# Altium PCB rev5.PcbDoc (part 2 of 4)
Units mil, origin at the board's own origin, x right, y up, seen from the top; angles counter-clockwise.
Board outline 1000 x 900 mil, 2 copper layers (Top Layer, Bottom Layer); 162 components, 16 nets, 1728 pads, 0 vias.
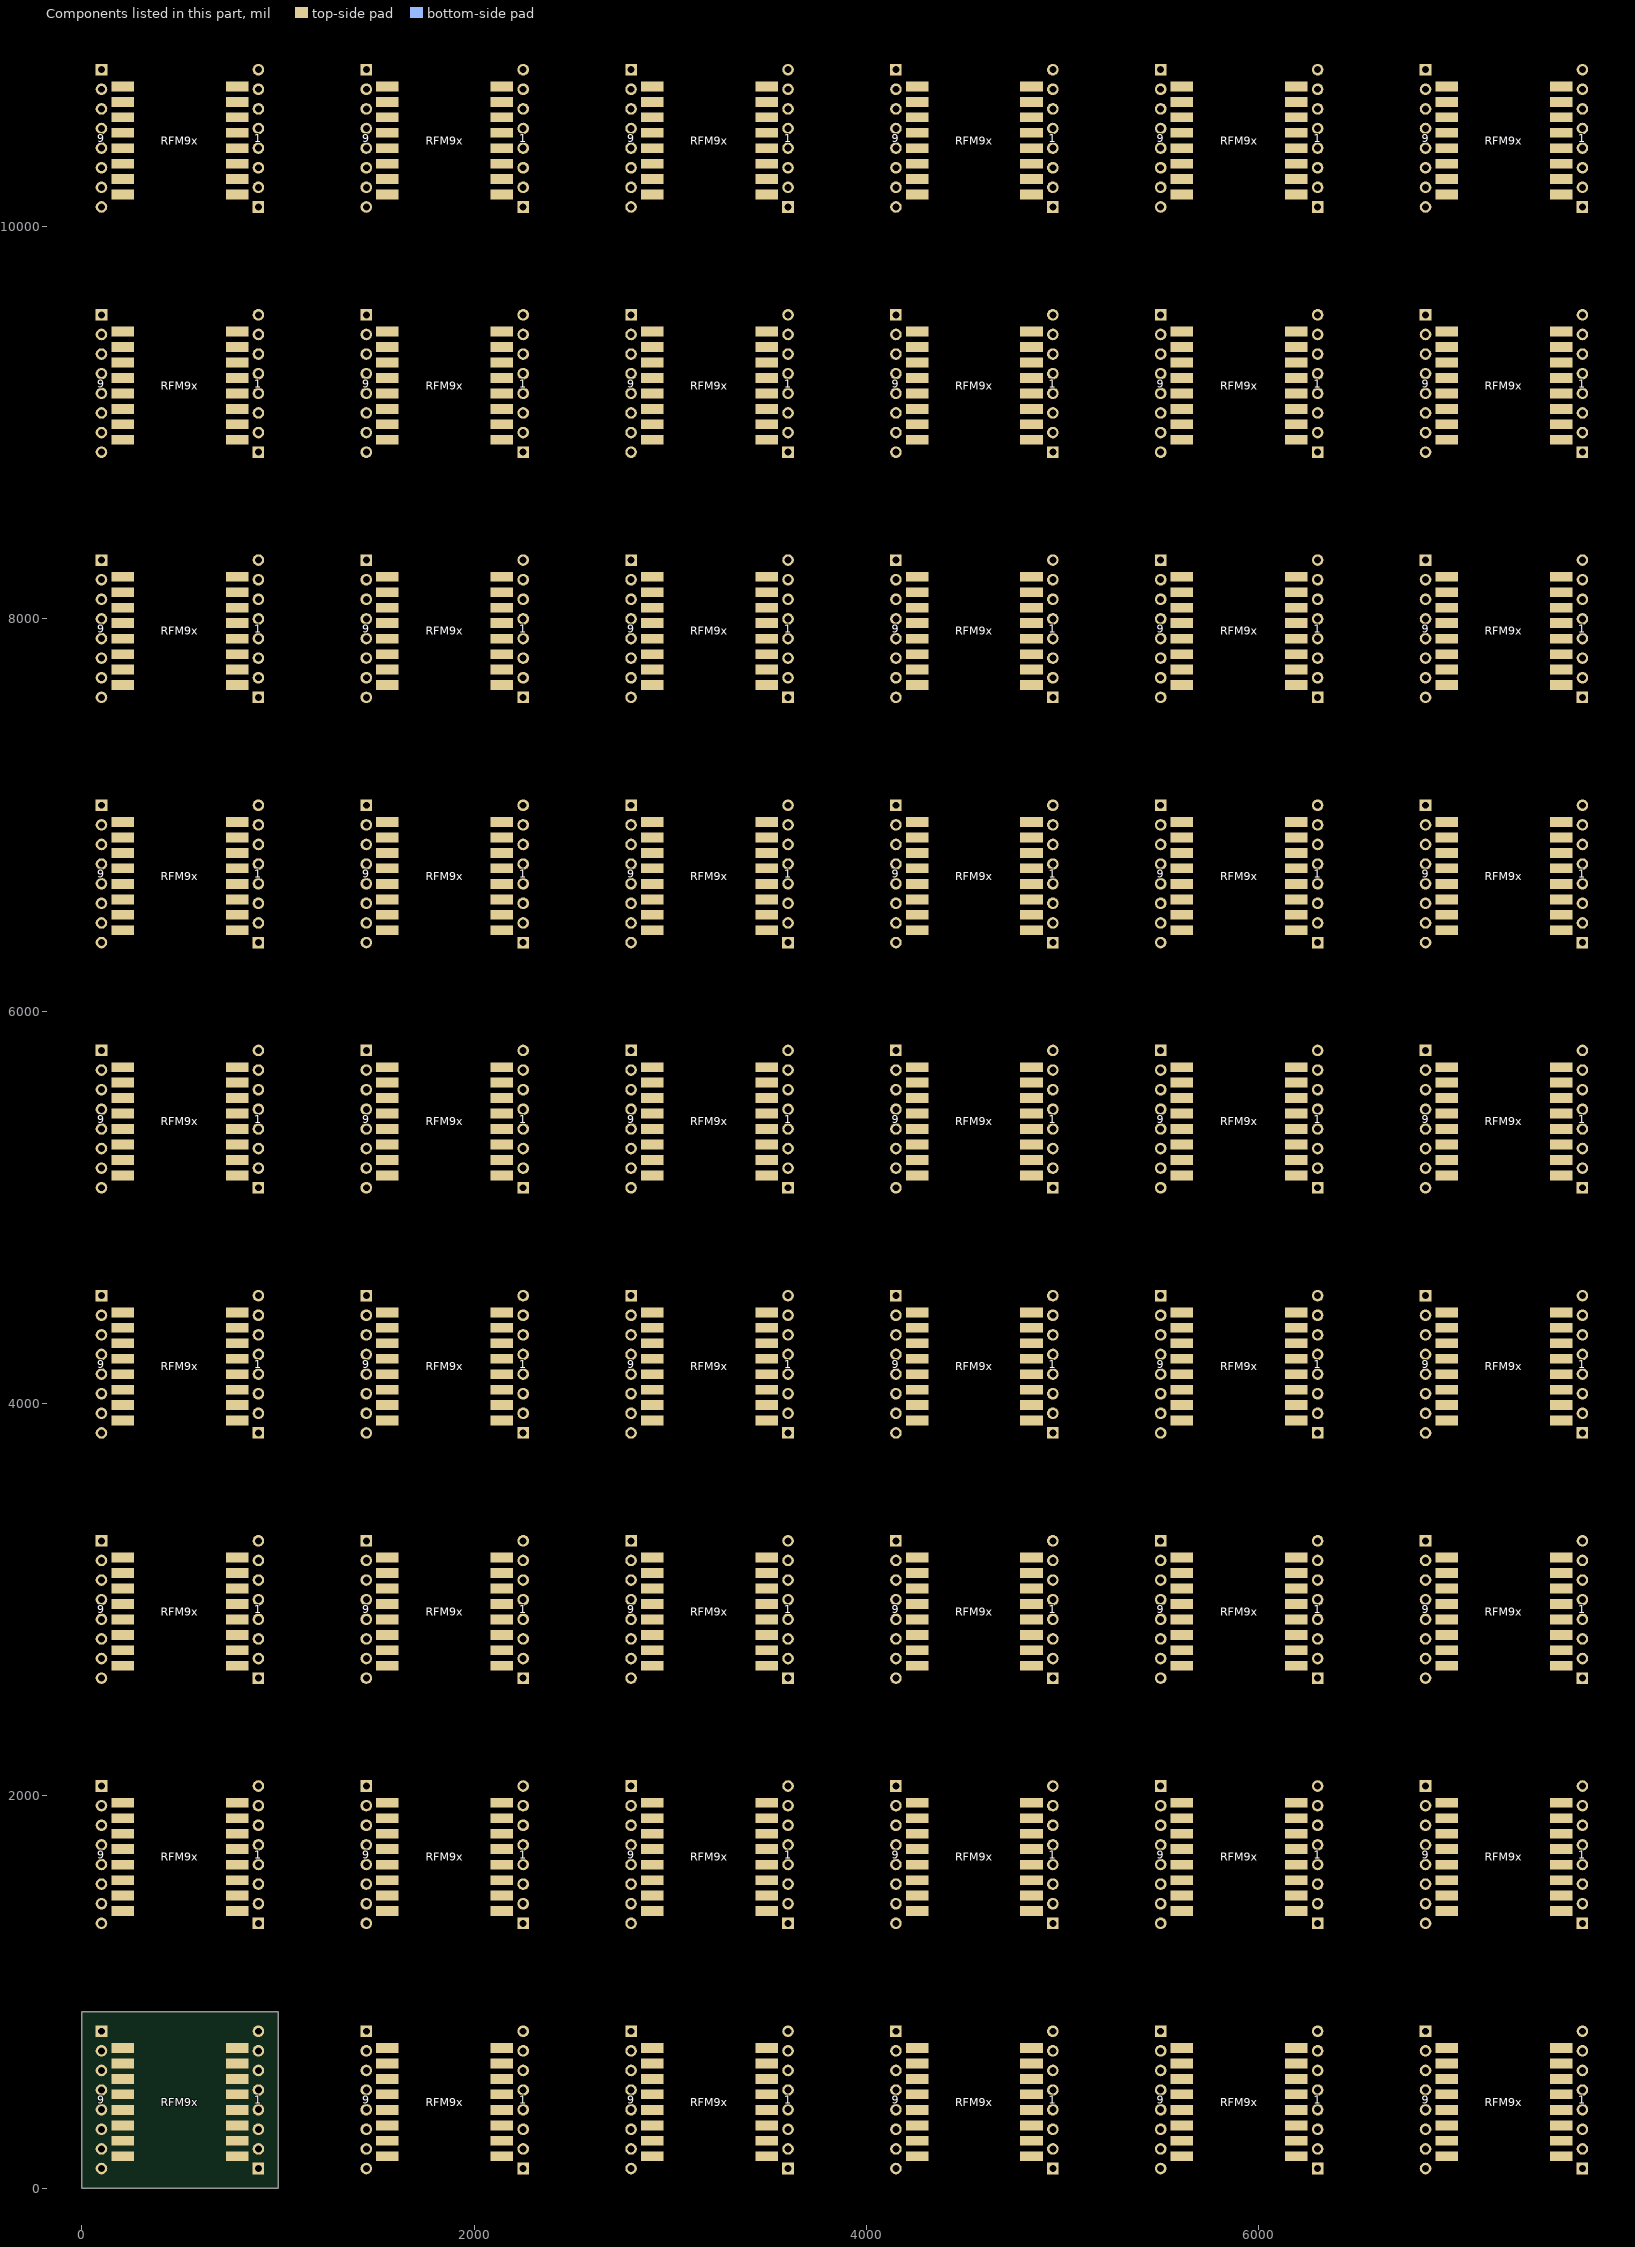
[diagram p2: the components of this part, seen from the top]

## Nets (pads, with @x,y where several pads share a name; then routed paths per layer and width w, separated by ;. In a path a pad name is that pad's centre, name@x,y a point inside that pad or via, vN(x,y) a via of type N, cw(c..) or ccw(c..) an arc to the next point about the centre after c; other vN are vias at no path point) (continued)
pads on no net: 1.1@900,1350 1.1@900,2600 1.1@900,3850 1.1@900,5100 1.1@900,6350 1.1@900,7600 1.1@900,8850 1.1@900,10100 1.1@2250,100 1.1@2250,1350 1.1@2250,2600 1.1@2250,3850 1.1@2250,5100 1.1@2250,6350 1.1@2250,7600 1.1@2250,8850 1.1@2250,10100 1.1@3600,100 1.1@3600,1350 1.1@3600,2600 1.1@3600,3850 1.1@3600,5100 1.1@3600,6350 1.1@3600,7600 1.1@3600,8850 1.1@3600,10100 1.1@4950,100 1.1@4950,1350 1.1@4950,2600 1.1@4950,3850 1.1@4950,5100 1.1@4950,6350 1.1@4950,7600 1.1@4950,8850 1.1@4950,10100 1.1@6300,100 1.1@6300,1350 1.1@6300,2600 1.1@6300,3850 1.1@6300,5100 1.1@6300,6350 1.1@6300,7600 1.1@6300,8850 1.1@6300,10100 1.1@7650,100 1.1@7650,1350 1.1@7650,2600 1.1@7650,3850 1.1@7650,5100 1.1@7650,6350 1.1@7650,7600 1.1@7650,8850 1.1@7650,10100 1.2@900,1450 1.2@900,2700 1.2@900,3950 1.2@900,5200 1.2@900,6450 1.2@900,7700 1.2@900,8950 1.2@900,10200 1.2@2250,200 1.2@2250,1450 1.2@2250,2700 1.2@2250,3950 1.2@2250,5200 1.2@2250,6450 1.2@2250,7700 1.2@2250,8950 1.2@2250,10200 1.2@3600,200 1.2@3600,1450 1.2@3600,2700 1.2@3600,3950 1.2@3600,5200 1.2@3600,6450 1.2@3600,7700 1.2@3600,8950 1.2@3600,10200 1.2@4950,200 1.2@4950,1450 1.2@4950,2700 1.2@4950,3950 1.2@4950,5200 1.2@4950,6450 1.2@4950,7700 1.2@4950,8950 1.2@4950,10200 1.2@6300,200 1.2@6300,1450 1.2@6300,2700 1.2@6300,3950 1.2@6300,5200 1.2@6300,6450 1.2@6300,7700 1.2@6300,8950 1.2@6300,10200 1.2@7650,200 1.2@7650,1450 1.2@7650,2700 1.2@7650,3950 1.2@7650,5200 1.2@7650,6450 1.2@7650,7700 1.2@7650,8950 1.2@7650,10200 1.3@900,1550 1.3@900,2800 1.3@900,4050 1.3@900,5300 1.3@900,6550 1.3@900,7800 1.3@900,9050 1.3@900,10300 1.3@2250,300 1.3@2250,1550 1.3@2250,2800 1.3@2250,4050 1.3@2250,5300 1.3@2250,6550 1.3@2250,7800 1.3@2250,9050 1.3@2250,10300 1.3@3600,300 1.3@3600,1550 1.3@3600,2800 1.3@3600,4050 1.3@3600,5300 1.3@3600,6550 1.3@3600,7800 1.3@3600,9050 1.3@3600,10300 1.3@4950,300 1.3@4950,1550 1.3@4950,2800 1.3@4950,4050 1.3@4950,5300 1.3@4950,6550 1.3@4950,7800 1.3@4950,9050 1.3@4950,10300 1.3@6300,300 1.3@6300,1550 1.3@6300,2800 1.3@6300,4050 1.3@6300,5300 1.3@6300,6550 1.3@6300,7800 1.3@6300,9050 1.3@6300,10300 1.3@7650,300 1.3@7650,1550 1.3@7650,2800 1.3@7650,4050 1.3@7650,5300 1.3@7650,6550 1.3@7650,7800 1.3@7650,9050 1.3@7650,10300 1.4@900,1650 1.4@900,2900 1.4@900,4150 1.4@900,5400 1.4@900,6650 1.4@900,7900 1.4@900,9150 1.4@900,10400 1.4@2250,400 1.4@2250,1650 1.4@2250,2900 1.4@2250,4150 1.4@2250,5400 1.4@2250,6650 1.4@2250,7900 1.4@2250,9150 1.4@2250,10400 1.4@3600,400 1.4@3600,1650 1.4@3600,2900 1.4@3600,4150 1.4@3600,5400 1.4@3600,6650 1.4@3600,7900 1.4@3600,9150 1.4@3600,10400 1.4@4950,400 1.4@4950,1650 1.4@4950,2900 1.4@4950,4150 1.4@4950,5400 1.4@4950,6650 1.4@4950,7900 1.4@4950,9150 1.4@4950,10400 1.4@6300,400 1.4@6300,1650 1.4@6300,2900 1.4@6300,4150 1.4@6300,5400 1.4@6300,6650 1.4@6300,7900 1.4@6300,9150 1.4@6300,10400 1.4@7650,400 1.4@7650,1650 1.4@7650,2900 1.4@7650,4150 1.4@7650,5400 1.4@7650,6650 1.4@7650,7900 1.4@7650,9150 1.4@7650,10400 1.5@900,1750 1.5@900,3000 1.5@900,4250 1.5@900,5500 1.5@900,6750 1.5@900,8000 1.5@900,9250 1.5@900,10500 1.5@2250,500 1.5@2250,1750 1.5@2250,3000 1.5@2250,4250 1.5@2250,5500 1.5@2250,6750 1.5@2250,8000 1.5@2250,9250 1.5@2250,10500 1.5@3600,500 1.5@3600,1750 1.5@3600,3000 1.5@3600,4250 1.5@3600,5500 1.5@3600,6750 1.5@3600,8000 1.5@3600,9250 1.5@3600,10500 1.5@4950,500 1.5@4950,1750 1.5@4950,3000 1.5@4950,4250 1.5@4950,5500 1.5@4950,6750 1.5@4950,8000 1.5@4950,9250 1.5@4950,10500 1.5@6300,500 1.5@6300,1750 1.5@6300,3000 1.5@6300,4250 1.5@6300,5500 1.5@6300,6750 1.5@6300,8000 1.5@6300,9250 1.5@6300,10500 1.5@7650,500 1.5@7650,1750 1.5@7650,3000 1.5@7650,4250 1.5@7650,5500 1.5@7650,6750 1.5@7650,8000 1.5@7650,9250 1.5@7650,10500 1.6@900,1850 1.6@900,3100 1.6@900,4350 1.6@900,5600 1.6@900,6850 1.6@900,8100 1.6@900,9350 1.6@900,10600 1.6@2250,600 1.6@2250,1850 1.6@2250,3100 1.6@2250,4350 1.6@2250,5600 1.6@2250,6850 1.6@2250,8100 1.6@2250,9350 1.6@2250,10600 1.6@3600,600 1.6@3600,1850 1.6@3600,3100 1.6@3600,4350 1.6@3600,5600 1.6@3600,6850 1.6@3600,8100 1.6@3600,9350 1.6@3600,10600 1.6@4950,600 1.6@4950,1850 1.6@4950,3100 1.6@4950,4350 1.6@4950,5600 1.6@4950,6850 1.6@4950,8100 1.6@4950,9350 1.6@4950,10600 1.6@6300,600 1.6@6300,1850 1.6@6300,3100 1.6@6300,4350 1.6@6300,5600 1.6@6300,6850 1.6@6300,8100 1.6@6300,9350 1.6@6300,10600 1.6@7650,600 1.6@7650,1850 1.6@7650,3100 1.6@7650,4350 1.6@7650,5600 1.6@7650,6850 1.6@7650,8100 1.6@7650,9350 1.6@7650,10600 1.7@900,1950 1.7@900,3200 1.7@900,4450 1.7@900,5700 1.7@900,6950 1.7@900,8200 1.7@900,9450 1.7@900,10700 1.7@2250,700 1.7@2250,1950 1.7@2250,3200 1.7@2250,4450 1.7@2250,5700 1.7@2250,6950 1.7@2250,8200 1.7@2250,9450 1.7@2250,10700 1.7@3600,700 1.7@3600,1950 1.7@3600,3200 1.7@3600,4450 1.7@3600,5700 1.7@3600,6950 1.7@3600,8200 1.7@3600,9450 1.7@3600,10700 1.7@4950,700 1.7@4950,1950 1.7@4950,3200 1.7@4950,4450 1.7@4950,5700 1.7@4950,6950 1.7@4950,8200 1.7@4950,9450 1.7@4950,10700 1.7@6300,700 1.7@6300,1950 1.7@6300,3200 1.7@6300,4450 1.7@6300,5700 1.7@6300,6950 1.7@6300,8200 1.7@6300,9450 1.7@6300,10700 1.7@7650,700 1.7@7650,1950 1.7@7650,3200 1.7@7650,4450 1.7@7650,5700 1.7@7650,6950 1.7@7650,8200 1.7@7650,9450 1.7@7650,10700 1.8@900,2050 1.8@900,3300 1.8@900,4550 1.8@900,5800 1.8@900,7050 1.8@900,8300 1.8@900,9550 1.8@900,10800 1.8@2250,800 1.8@2250,2050 1.8@2250,3300 1.8@2250,4550 1.8@2250,5800 1.8@2250,7050 1.8@2250,8300 1.8@2250,9550 1.8@2250,10800 1.8@3600,800 1.8@3600,2050 1.8@3600,3300 1.8@3600,4550 1.8@3600,5800 1.8@3600,7050 1.8@3600,8300 1.8@3600,9550 1.8@3600,10800 1.8@4950,800 1.8@4950,2050 1.8@4950,3300 1.8@4950,4550 1.8@4950,5800 1.8@4950,7050 1.8@4950,8300 1.8@4950,9550 1.8@4950,10800 1.8@6300,800 1.8@6300,2050 1.8@6300,3300 1.8@6300,4550 1.8@6300,5800 1.8@6300,7050 1.8@6300,8300 1.8@6300,9550 1.8@6300,10800 1.8@7650,800 1.8@7650,2050 1.8@7650,3300 1.8@7650,4550 1.8@7650,5800 1.8@7650,7050 1.8@7650,8300 1.8@7650,9550 1.8@7650,10800 9.1@100,2050 9.1@100,3300 9.1@100,4550 9.1@100,5800 9.1@100,7050 9.1@100,8300 9.1@100,9550 9.1@100,10800 9.1@1450,800 9.1@1450,2050 9.1@1450,3300 9.1@1450,4550 9.1@1450,5800 9.1@1450,7050 9.1@1450,8300 9.1@1450,9550 9.1@1450,10800 9.1@2800,800 9.1@2800,2050 9.1@2800,3300 9.1@2800,4550 9.1@2800,5800 9.1@2800,7050 9.1@2800,8300 9.1@2800,9550 9.1@2800,10800 9.1@4150,800 9.1@4150,2050 9.1@4150,3300 9.1@4150,4550 9.1@4150,5800 9.1@4150,7050 9.1@4150,8300 9.1@4150,9550 9.1@4150,10800 9.1@5500,800 9.1@5500,2050 9.1@5500,3300 9.1@5500,4550 9.1@5500,5800 9.1@5500,7050 9.1@5500,8300 9.1@5500,9550 9.1@5500,10800 9.1@6850,800 9.1@6850,2050 9.1@6850,3300 9.1@6850,4550 9.1@6850,5800 9.1@6850,7050 9.1@6850,8300 9.1@6850,9550 9.1@6850,10800 9.2@100,1950 9.2@100,3200 9.2@100,4450 9.2@100,5700 9.2@100,6950 9.2@100,8200 9.2@100,9450 9.2@100,10700 9.2@1450,700 9.2@1450,1950 9.2@1450,3200 9.2@1450,4450 9.2@1450,5700 9.2@1450,6950 9.2@1450,8200 9.2@1450,9450 9.2@1450,10700 9.2@2800,700 9.2@2800,1950 9.2@2800,3200 9.2@2800,4450 9.2@2800,5700 9.2@2800,6950 9.2@2800,8200 9.2@2800,9450 9.2@2800,10700 9.2@4150,700 9.2@4150,1950 9.2@4150,3200 9.2@4150,4450 9.2@4150,5700 9.2@4150,6950 9.2@4150,8200 9.2@4150,9450 9.2@4150,10700 9.2@5500,700 9.2@5500,1950 9.2@5500,3200 9.2@5500,4450 9.2@5500,5700 9.2@5500,6950 9.2@5500,8200 9.2@5500,9450 9.2@5500,10700 9.2@6850,700 9.2@6850,1950 9.2@6850,3200 9.2@6850,4450 9.2@6850,5700 9.2@6850,6950 9.2@6850,8200 9.2@6850,9450 9.2@6850,10700 9.3@100,1850 9.3@100,3100 9.3@100,4350 9.3@100,5600 9.3@100,6850 9.3@100,8100 9.3@100,9350 9.3@100,10600 9.3@1450,600 9.3@1450,1850 9.3@1450,3100 9.3@1450,4350 9.3@1450,5600 9.3@1450,6850 9.3@1450,8100 9.3@1450,9350 9.3@1450,10600 9.3@2800,600 9.3@2800,1850 9.3@2800,3100 9.3@2800,4350 9.3@2800,5600 9.3@2800,6850 9.3@2800,8100 9.3@2800,9350 9.3@2800,10600 9.3@4150,600 9.3@4150,1850 9.3@4150,3100 9.3@4150,4350 9.3@4150,5600 9.3@4150,6850 9.3@4150,8100 9.3@4150,9350 9.3@4150,10600 9.3@5500,600 9.3@5500,1850 9.3@5500,3100 9.3@5500,4350 9.3@5500,5600 9.3@5500,6850 9.3@5500,8100 9.3@5500,9350 9.3@5500,10600 9.3@6850,600 9.3@6850,1850 9.3@6850,3100 9.3@6850,4350 9.3@6850,5600 9.3@6850,6850 9.3@6850,8100 9.3@6850,9350 9.3@6850,10600 9.4@100,1750 9.4@100,3000 9.4@100,4250 9.4@100,5500 9.4@100,6750 9.4@100,8000 9.4@100,9250 9.4@100,10500 9.4@1450,500 9.4@1450,1750 9.4@1450,3000 9.4@1450,4250 9.4@1450,5500 9.4@1450,6750 9.4@1450,8000 9.4@1450,9250 9.4@1450,10500 9.4@2800,500 9.4@2800,1750 9.4@2800,3000 9.4@2800,4250 9.4@2800,5500 9.4@2800,6750 9.4@2800,8000 9.4@2800,9250 9.4@2800,10500 9.4@4150,500 9.4@4150,1750 9.4@4150,3000 9.4@4150,4250 9.4@4150,5500 9.4@4150,6750 9.4@4150,8000 9.4@4150,9250 9.4@4150,10500 9.4@5500,500 9.4@5500,1750 9.4@5500,3000 9.4@5500,4250 9.4@5500,5500 9.4@5500,6750 9.4@5500,8000 9.4@5500,9250 9.4@5500,10500 9.4@6850,500 9.4@6850,1750 9.4@6850,3000 9.4@6850,4250 9.4@6850,5500 9.4@6850,6750 9.4@6850,8000 9.4@6850,9250 9.4@6850,10500 9.5@100,1650 9.5@100,2900 9.5@100,4150 9.5@100,5400 9.5@100,6650 9.5@100,7900 9.5@100,9150 9.5@100,10400 9.5@1450,400 9.5@1450,1650 9.5@1450,2900 9.5@1450,4150 9.5@1450,5400 9.5@1450,6650 9.5@1450,7900 9.5@1450,9150 9.5@1450,10400 9.5@2800,400 9.5@2800,1650 9.5@2800,2900 9.5@2800,4150 9.5@2800,5400 9.5@2800,6650 9.5@2800,7900 9.5@2800,9150 9.5@2800,10400 9.5@4150,400 9.5@4150,1650 9.5@4150,2900 9.5@4150,4150 9.5@4150,5400 9.5@4150,6650 9.5@4150,7900 9.5@4150,9150 9.5@4150,10400 9.5@5500,400 9.5@5500,1650 9.5@5500,2900 9.5@5500,4150 9.5@5500,5400 9.5@5500,6650 9.5@5500,7900 9.5@5500,9150 9.5@5500,10400 9.5@6850,400 9.5@6850,1650 9.5@6850,2900 9.5@6850,4150 9.5@6850,5400 9.5@6850,6650 9.5@6850,7900 9.5@6850,9150 9.5@6850,10400 9.6@100,1550 9.6@100,2800 9.6@100,4050 9.6@100,5300 9.6@100,6550 9.6@100,7800 9.6@100,9050 9.6@100,10300 9.6@1450,300 9.6@1450,1550 9.6@1450,2800 9.6@1450,4050 9.6@1450,5300 9.6@1450,6550 9.6@1450,7800 9.6@1450,9050 9.6@1450,10300 9.6@2800,300 9.6@2800,1550 9.6@2800,2800 9.6@2800,4050 9.6@2800,5300 9.6@2800,6550 9.6@2800,7800 9.6@2800,9050 9.6@2800,10300 9.6@4150,300 9.6@4150,1550 9.6@4150,2800 9.6@4150,4050 9.6@4150,5300 9.6@4150,6550 9.6@4150,7800 9.6@4150,9050 9.6@4150,10300 9.6@5500,300 9.6@5500,1550 9.6@5500,2800 9.6@5500,4050 9.6@5500,5300 9.6@5500,6550 9.6@5500,7800 9.6@5500,9050 9.6@5500,10300 9.6@6850,300 9.6@6850,1550 9.6@6850,2800 9.6@6850,4050 9.6@6850,5300 9.6@6850,6550 9.6@6850,7800 9.6@6850,9050 9.6@6850,10300 9.7@100,1450 9.7@100,2700 9.7@100,3950 9.7@100,5200 9.7@100,6450 9.7@100,7700 9.7@100,8950 9.7@100,10200 9.7@1450,200 9.7@1450,1450 9.7@1450,2700 9.7@1450,3950 9.7@1450,5200 9.7@1450,6450 9.7@1450,7700 9.7@1450,8950 9.7@1450,10200 9.7@2800,200 9.7@2800,1450 9.7@2800,2700 9.7@2800,3950 9.7@2800,5200 9.7@2800,6450 9.7@2800,7700 9.7@2800,8950 9.7@2800,10200 9.7@4150,200 9.7@4150,1450 9.7@4150,2700 9.7@4150,3950 9.7@4150,5200 9.7@4150,6450 9.7@4150,7700 9.7@4150,8950 9.7@4150,10200 9.7@5500,200 9.7@5500,1450 9.7@5500,2700 9.7@5500,3950 9.7@5500,5200 9.7@5500,6450 9.7@5500,7700 9.7@5500,8950 9.7@5500,10200 9.7@6850,200 9.7@6850,1450 9.7@6850,2700 9.7@6850,3950 9.7@6850,5200 9.7@6850,6450 9.7@6850,7700 9.7@6850,8950 9.7@6850,10200 9.8@100,1350 9.8@100,2600 9.8@100,3850 9.8@100,5100 9.8@100,6350 9.8@100,7600 9.8@100,8850 9.8@100,10100 9.8@1450,100 9.8@1450,1350 9.8@1450,2600 9.8@1450,3850 9.8@1450,5100 9.8@1450,6350 9.8@1450,7600 9.8@1450,8850 9.8@1450,10100 9.8@2800,100 9.8@2800,1350 9.8@2800,2600 9.8@2800,3850 9.8@2800,5100 9.8@2800,6350 9.8@2800,7600 9.8@2800,8850 9.8@2800,10100 9.8@4150,100 9.8@4150,1350 9.8@4150,2600 9.8@4150,3850 9.8@4150,5100 9.8@4150,6350 9.8@4150,7600 9.8@4150,8850 9.8@4150,10100 9.8@5500,100 9.8@5500,1350 9.8@5500,2600 9.8@5500,3850 9.8@5500,5100 9.8@5500,6350 9.8@5500,7600 9.8@5500,8850 9.8@5500,10100 9.8@6850,100 9.8@6850,1350 9.8@6850,2600 9.8@6850,3850 9.8@6850,5100 9.8@6850,6350 9.8@6850,7600 9.8@6850,8850 9.8@6850,10100 RFM9x.1@791.34,1413 RFM9x.1@791.34,2663 RFM9x.1@791.34,3913 RFM9x.1@791.34,5163 RFM9x.1@791.34,6413 RFM9x.1@791.34,7663 RFM9x.1@791.34,8913 RFM9x.1@791.34,10163 RFM9x.1@2141.34,163 RFM9x.1@2141.34,1413 RFM9x.1@2141.34,2663 RFM9x.1@2141.34,3913 RFM9x.1@2141.34,5163 RFM9x.1@2141.34,6413 RFM9x.1@2141.34,7663 RFM9x.1@2141.34,8913 RFM9x.1@2141.34,10163 RFM9x.1@3491.34,163 RFM9x.1@3491.34,1413 RFM9x.1@3491.34,2663 RFM9x.1@3491.34,3913 RFM9x.1@3491.34,5163 RFM9x.1@3491.34,6413 RFM9x.1@3491.34,7663 RFM9x.1@3491.34,8913 RFM9x.1@3491.34,10163 RFM9x.1@4841.34,163 RFM9x.1@4841.34,1413 RFM9x.1@4841.34,2663 RFM9x.1@4841.34,3913 RFM9x.1@4841.34,5163 RFM9x.1@4841.34,6413 RFM9x.1@4841.34,7663 RFM9x.1@4841.34,8913 RFM9x.1@4841.34,10163 RFM9x.1@6191.34,163 RFM9x.1@6191.34,1413 RFM9x.1@6191.34,2663 RFM9x.1@6191.34,3913 RFM9x.1@6191.34,5163 RFM9x.1@6191.34,6413 RFM9x.1@6191.34,7663 RFM9x.1@6191.34,8913 RFM9x.1@6191.34,10163 RFM9x.1@7541.34,163 RFM9x.1@7541.34,1413 RFM9x.1@7541.34,2663 RFM9x.1@7541.34,3913 RFM9x.1@7541.34,5163 RFM9x.1@7541.34,6413 RFM9x.1@7541.34,7663 RFM9x.1@7541.34,8913 RFM9x.1@7541.34,10163 RFM9x.2@791.34,1492 RFM9x.2@791.34,2742 RFM9x.2@791.34,3992 RFM9x.2@791.34,5242 RFM9x.2@791.34,6492 RFM9x.2@791.34,7742 RFM9x.2@791.34,8992 RFM9x.2@791.34,10242 RFM9x.2@2141.34,242 RFM9x.2@2141.34,1492 RFM9x.2@2141.34,2742 RFM9x.2@2141.34,3992 RFM9x.2@2141.34,5242 RFM9x.2@2141.34,6492 RFM9x.2@2141.34,7742 RFM9x.2@2141.34,8992 RFM9x.2@2141.34,10242 RFM9x.2@3491.34,242 RFM9x.2@3491.34,1492 RFM9x.2@3491.34,2742 RFM9x.2@3491.34,3992 RFM9x.2@3491.34,5242 RFM9x.2@3491.34,6492 RFM9x.2@3491.34,7742 RFM9x.2@3491.34,8992 RFM9x.2@3491.34,10242 RFM9x.2@4841.34,242 RFM9x.2@4841.34,1492 RFM9x.2@4841.34,2742 RFM9x.2@4841.34,3992 RFM9x.2@4841.34,5242 RFM9x.2@4841.34,6492 RFM9x.2@4841.34,7742 RFM9x.2@4841.34,8992 RFM9x.2@4841.34,10242 RFM9x.2@6191.34,242 RFM9x.2@6191.34,1492 RFM9x.2@6191.34,2742 RFM9x.2@6191.34,3992 RFM9x.2@6191.34,5242 RFM9x.2@6191.34,6492 RFM9x.2@6191.34,7742 RFM9x.2@6191.34,8992 RFM9x.2@6191.34,10242 RFM9x.2@7541.34,242 RFM9x.2@7541.34,1492 RFM9x.2@7541.34,2742 RFM9x.2@7541.34,3992 RFM9x.2@7541.34,5242 RFM9x.2@7541.34,6492 RFM9x.2@7541.34,7742 RFM9x.2@7541.34,8992 RFM9x.2@7541.34,10242 RFM9x.3@791.34,1570 RFM9x.3@791.34,2820 RFM9x.3@791.34,4070 RFM9x.3@791.34,5320 RFM9x.3@791.34,6570 RFM9x.3@791.34,7820 RFM9x.3@791.34,9070 RFM9x.3@791.34,10320 RFM9x.3@2141.34,320 RFM9x.3@2141.34,1570 RFM9x.3@2141.34,2820 RFM9x.3@2141.34,4070 RFM9x.3@2141.34,5320 RFM9x.3@2141.34,6570 RFM9x.3@2141.34,7820 RFM9x.3@2141.34,9070 RFM9x.3@2141.34,10320 RFM9x.3@3491.34,320 RFM9x.3@3491.34,1570 RFM9x.3@3491.34,2820 RFM9x.3@3491.34,4070 RFM9x.3@3491.34,5320 RFM9x.3@3491.34,6570 RFM9x.3@3491.34,7820 RFM9x.3@3491.34,9070 RFM9x.3@3491.34,10320 RFM9x.3@4841.34,320 RFM9x.3@4841.34,1570 RFM9x.3@4841.34,2820 RFM9x.3@4841.34,4070 RFM9x.3@4841.34,5320 RFM9x.3@4841.34,6570 RFM9x.3@4841.34,7820 RFM9x.3@4841.34,9070 RFM9x.3@4841.34,10320 RFM9x.3@6191.34,320 RFM9x.3@6191.34,1570 RFM9x.3@6191.34,2820 RFM9x.3@6191.34,4070 RFM9x.3@6191.34,5320 RFM9x.3@6191.34,6570 RFM9x.3@6191.34,7820 RFM9x.3@6191.34,9070 RFM9x.3@6191.34,10320 RFM9x.3@7541.34,320 RFM9x.3@7541.34,1570 RFM9x.3@7541.34,2820 RFM9x.3@7541.34,4070 RFM9x.3@7541.34,5320 RFM9x.3@7541.34,6570 RFM9x.3@7541.34,7820 RFM9x.3@7541.34,9070 RFM9x.3@7541.34,10320 RFM9x.4@791.34,1649 RFM9x.4@791.34,2899 RFM9x.4@791.34,4149 RFM9x.4@791.34,5399 RFM9x.4@791.34,6649 RFM9x.4@791.34,7899 RFM9x.4@791.34,9149 RFM9x.4@791.34,10399 RFM9x.4@2141.34,399 RFM9x.4@2141.34,1649 RFM9x.4@2141.34,2899 RFM9x.4@2141.34,4149 RFM9x.4@2141.34,5399 RFM9x.4@2141.34,6649 RFM9x.4@2141.34,7899 RFM9x.4@2141.34,9149 RFM9x.4@2141.34,10399 RFM9x.4@3491.34,399 RFM9x.4@3491.34,1649 RFM9x.4@3491.34,2899 RFM9x.4@3491.34,4149 RFM9x.4@3491.34,5399 RFM9x.4@3491.34,6649 RFM9x.4@3491.34,7899 RFM9x.4@3491.34,9149 RFM9x.4@3491.34,10399 RFM9x.4@4841.34,399 RFM9x.4@4841.34,1649 RFM9x.4@4841.34,2899 RFM9x.4@4841.34,4149 RFM9x.4@4841.34,5399 RFM9x.4@4841.34,6649 RFM9x.4@4841.34,7899 RFM9x.4@4841.34,9149 RFM9x.4@4841.34,10399 RFM9x.4@6191.34,399 RFM9x.4@6191.34,1649 RFM9x.4@6191.34,2899 RFM9x.4@6191.34,4149 RFM9x.4@6191.34,5399 RFM9x.4@6191.34,6649 RFM9x.4@6191.34,7899 RFM9x.4@6191.34,9149 RFM9x.4@6191.34,10399 RFM9x.4@7541.34,399 RFM9x.4@7541.34,1649 RFM9x.4@7541.34,2899 RFM9x.4@7541.34,4149 RFM9x.4@7541.34,5399 RFM9x.4@7541.34,6649 RFM9x.4@7541.34,7899 RFM9x.4@7541.34,9149 RFM9x.4@7541.34,10399 RFM9x.5@791.34,1728.37 RFM9x.5@791.34,2978.37 RFM9x.5@791.34,4228.37 RFM9x.5@791.34,5478.37 RFM9x.5@791.34,6728.37 RFM9x.5@791.34,7978.37 RFM9x.5@791.34,9228.37 RFM9x.5@791.34,10478.37 RFM9x.5@2141.34,478.37 RFM9x.5@2141.34,1728.37 RFM9x.5@2141.34,2978.37 RFM9x.5@2141.34,4228.37 RFM9x.5@2141.34,5478.37 RFM9x.5@2141.34,6728.37 RFM9x.5@2141.34,7978.37 RFM9x.5@2141.34,9228.37 RFM9x.5@2141.34,10478.37 RFM9x.5@3491.34,478.37 RFM9x.5@3491.34,1728.37 RFM9x.5@3491.34,2978.37 RFM9x.5@3491.34,4228.37 RFM9x.5@3491.34,5478.37 RFM9x.5@3491.34,6728.37 RFM9x.5@3491.34,7978.37 RFM9x.5@3491.34,9228.37 RFM9x.5@3491.34,10478.37 RFM9x.5@4841.34,478.37 RFM9x.5@4841.34,1728.37 RFM9x.5@4841.34,2978.37 RFM9x.5@4841.34,4228.37 RFM9x.5@4841.34,5478.37 RFM9x.5@4841.34,6728.37 RFM9x.5@4841.34,7978.37 RFM9x.5@4841.34,9228.37 RFM9x.5@4841.34,10478.37 RFM9x.5@6191.34,478.37 RFM9x.5@6191.34,1728.37 RFM9x.5@6191.34,2978.37 RFM9x.5@6191.34,4228.37 RFM9x.5@6191.34,5478.37 RFM9x.5@6191.34,6728.37 RFM9x.5@6191.34,7978.37 RFM9x.5@6191.34,9228.37 RFM9x.5@6191.34,10478.37 RFM9x.5@7541.34,478.37 RFM9x.5@7541.34,1728.37 RFM9x.5@7541.34,2978.37 RFM9x.5@7541.34,4228.37 RFM9x.5@7541.34,5478.37 RFM9x.5@7541.34,6728.37 RFM9x.5@7541.34,7978.37 RFM9x.5@7541.34,9228.37 RFM9x.5@7541.34,10478.37 RFM9x.6@791.34,1807.11 RFM9x.6@791.34,3057.11 RFM9x.6@791.34,4307.11 RFM9x.6@791.34,5557.11 RFM9x.6@791.34,6807.11 RFM9x.6@791.34,8057.11 RFM9x.6@791.34,9307.11 RFM9x.6@791.34,10557.11 RFM9x.6@2141.34,557.11 RFM9x.6@2141.34,1807.11 RFM9x.6@2141.34,3057.11 RFM9x.6@2141.34,4307.11 RFM9x.6@2141.34,5557.11 RFM9x.6@2141.34,6807.11 RFM9x.6@2141.34,8057.11 RFM9x.6@2141.34,9307.11 RFM9x.6@2141.34,10557.11 RFM9x.6@3491.34,557.11 RFM9x.6@3491.34,1807.11 RFM9x.6@3491.34,3057.11 RFM9x.6@3491.34,4307.11 RFM9x.6@3491.34,5557.11 RFM9x.6@3491.34,6807.11 RFM9x.6@3491.34,8057.11 RFM9x.6@3491.34,9307.11 RFM9x.6@3491.34,10557.11 RFM9x.6@4841.34,557.11 RFM9x.6@4841.34,1807.11 RFM9x.6@4841.34,3057.11 RFM9x.6@4841.34,4307.11 RFM9x.6@4841.34,5557.11 RFM9x.6@4841.34,6807.11 RFM9x.6@4841.34,8057.11 RFM9x.6@4841.34,9307.11 RFM9x.6@4841.34,10557.11 RFM9x.6@6191.34,557.11 RFM9x.6@6191.34,1807.11 RFM9x.6@6191.34,3057.11 RFM9x.6@6191.34,4307.11 RFM9x.6@6191.34,5557.11 RFM9x.6@6191.34,6807.11 RFM9x.6@6191.34,8057.11 RFM9x.6@6191.34,9307.11 RFM9x.6@6191.34,10557.11 RFM9x.6@7541.34,557.11 RFM9x.6@7541.34,1807.11 RFM9x.6@7541.34,3057.11 RFM9x.6@7541.34,4307.11 RFM9x.6@7541.34,5557.11 RFM9x.6@7541.34,6807.11 RFM9x.6@7541.34,8057.11 RFM9x.6@7541.34,9307.11 RFM9x.6@7541.34,10557.11 RFM9x.7@791.34,1885.85 RFM9x.7@791.34,3135.85 RFM9x.7@791.34,4385.85 RFM9x.7@791.34,5635.85 RFM9x.7@791.34,6885.85 RFM9x.7@791.34,8135.85 RFM9x.7@791.34,9385.85 RFM9x.7@791.34,10635.85 RFM9x.7@2141.34,635.85 RFM9x.7@2141.34,1885.85 RFM9x.7@2141.34,3135.85 RFM9x.7@2141.34,4385.85 RFM9x.7@2141.34,5635.85 RFM9x.7@2141.34,6885.85 RFM9x.7@2141.34,8135.85 RFM9x.7@2141.34,9385.85 RFM9x.7@2141.34,10635.85 RFM9x.7@3491.34,635.85 RFM9x.7@3491.34,1885.85 RFM9x.7@3491.34,3135.85 RFM9x.7@3491.34,4385.85 RFM9x.7@3491.34,5635.85 RFM9x.7@3491.34,6885.85 RFM9x.7@3491.34,8135.85 RFM9x.7@3491.34,9385.85 RFM9x.7@3491.34,10635.85 RFM9x.7@4841.34,635.85 RFM9x.7@4841.34,1885.85 RFM9x.7@4841.34,3135.85 RFM9x.7@4841.34,4385.85 RFM9x.7@4841.34,5635.85 RFM9x.7@4841.34,6885.85 RFM9x.7@4841.34,8135.85 RFM9x.7@4841.34,9385.85 RFM9x.7@4841.34,10635.85 RFM9x.7@6191.34,635.85 RFM9x.7@6191.34,1885.85 RFM9x.7@6191.34,3135.85 RFM9x.7@6191.34,4385.85 RFM9x.7@6191.34,5635.85 RFM9x.7@6191.34,6885.85 RFM9x.7@6191.34,8135.85 RFM9x.7@6191.34,9385.85 RFM9x.7@6191.34,10635.85 RFM9x.7@7541.34,635.85 RFM9x.7@7541.34,1885.85 RFM9x.7@7541.34,3135.85 RFM9x.7@7541.34,4385.85 RFM9x.7@7541.34,5635.85 RFM9x.7@7541.34,6885.85 RFM9x.7@7541.34,8135.85 RFM9x.7@7541.34,9385.85 RFM9x.7@7541.34,10635.85 RFM9x.8@791.34,1964.59 RFM9x.8@791.34,3214.59 RFM9x.8@791.34,4464.59 RFM9x.8@791.34,5714.59 RFM9x.8@791.34,6964.59 RFM9x.8@791.34,8214.59 RFM9x.8@791.34,9464.59 RFM9x.8@791.34,10714.59 RFM9x.8@2141.34,714.59 RFM9x.8@2141.34,1964.59 RFM9x.8@2141.34,3214.59 RFM9x.8@2141.34,4464.59 RFM9x.8@2141.34,5714.59 RFM9x.8@2141.34,6964.59 RFM9x.8@2141.34,8214.59 RFM9x.8@2141.34,9464.59 RFM9x.8@2141.34,10714.59 RFM9x.8@3491.34,714.59 RFM9x.8@3491.34,1964.59 RFM9x.8@3491.34,3214.59 RFM9x.8@3491.34,4464.59 RFM9x.8@3491.34,5714.59 RFM9x.8@3491.34,6964.59 RFM9x.8@3491.34,8214.59 RFM9x.8@3491.34,9464.59 RFM9x.8@3491.34,10714.59 RFM9x.8@4841.34,714.59 RFM9x.8@4841.34,1964.59 RFM9x.8@4841.34,3214.59 RFM9x.8@4841.34,4464.59 RFM9x.8@4841.34,5714.59 RFM9x.8@4841.34,6964.59 RFM9x.8@4841.34,8214.59 RFM9x.8@4841.34,9464.59 RFM9x.8@4841.34,10714.59 RFM9x.8@6191.34,714.59 RFM9x.8@6191.34,1964.59 RFM9x.8@6191.34,3214.59 RFM9x.8@6191.34,4464.59 RFM9x.8@6191.34,5714.59 RFM9x.8@6191.34,6964.59 RFM9x.8@6191.34,8214.59 RFM9x.8@6191.34,9464.59 RFM9x.8@6191.34,10714.59 RFM9x.8@7541.34,714.59 RFM9x.8@7541.34,1964.59 RFM9x.8@7541.34,3214.59 RFM9x.8@7541.34,4464.59 RFM9x.8@7541.34,5714.59 RFM9x.8@7541.34,6964.59 RFM9x.8@7541.34,8214.59 RFM9x.8@7541.34,9464.59 RFM9x.8@7541.34,10714.59 RFM9x.9@208,1964.59 RFM9x.9@208,3214.59 RFM9x.9@208,4464.59 RFM9x.9@208,5714.59 RFM9x.9@208,6964.59 RFM9x.9@208,8214.59 RFM9x.9@208,9464.59 RFM9x.9@208,10714.59 RFM9x.9@1558,714.59 RFM9x.9@1558,1964.59 RFM9x.9@1558,3214.59 RFM9x.9@1558,4464.59 RFM9x.9@1558,5714.59 RFM9x.9@1558,6964.59 RFM9x.9@1558,8214.59 RFM9x.9@1558,9464.59 RFM9x.9@1558,10714.59 RFM9x.9@2908,714.59 RFM9x.9@2908,1964.59 RFM9x.9@2908,3214.59 RFM9x.9@2908,4464.59 RFM9x.9@2908,5714.59 RFM9x.9@2908,6964.59 RFM9x.9@2908,8214.59 RFM9x.9@2908,9464.59 RFM9x.9@2908,10714.59 RFM9x.9@4258,714.59 RFM9x.9@4258,1964.59 RFM9x.9@4258,3214.59 RFM9x.9@4258,4464.59 RFM9x.9@4258,5714.59 RFM9x.9@4258,6964.59 RFM9x.9@4258,8214.59 RFM9x.9@4258,9464.59 RFM9x.9@4258,10714.59 RFM9x.9@5608,714.59 RFM9x.9@5608,1964.59 RFM9x.9@5608,3214.59 RFM9x.9@5608,4464.59 RFM9x.9@5608,5714.59 RFM9x.9@5608,6964.59 RFM9x.9@5608,8214.59 RFM9x.9@5608,9464.59 RFM9x.9@5608,10714.59 RFM9x.9@6958,714.59 RFM9x.9@6958,1964.59 RFM9x.9@6958,3214.59 RFM9x.9@6958,4464.59 RFM9x.9@6958,5714.59 RFM9x.9@6958,6964.59 RFM9x.9@6958,8214.59 RFM9x.9@6958,9464.59 RFM9x.9@6958,10714.59 RFM9x.10@208,1885.85 RFM9x.10@208,3135.85 RFM9x.10@208,4385.85 RFM9x.10@208,5635.85 RFM9x.10@208,6885.85 RFM9x.10@208,8135.85 RFM9x.10@208,9385.85 RFM9x.10@208,10635.85 RFM9x.10@1558,635.85 RFM9x.10@1558,1885.85 RFM9x.10@1558,3135.85 RFM9x.10@1558,4385.85 RFM9x.10@1558,5635.85 RFM9x.10@1558,6885.85 RFM9x.10@1558,8135.85 RFM9x.10@1558,9385.85 RFM9x.10@1558,10635.85 RFM9x.10@2908,635.85 RFM9x.10@2908,1885.85 RFM9x.10@2908,3135.85 RFM9x.10@2908,4385.85 RFM9x.10@2908,5635.85 RFM9x.10@2908,6885.85 RFM9x.10@2908,8135.85 RFM9x.10@2908,9385.85 RFM9x.10@2908,10635.85 RFM9x.10@4258,635.85 RFM9x.10@4258,1885.85 RFM9x.10@4258,3135.85 RFM9x.10@4258,4385.85 RFM9x.10@4258,5635.85 RFM9x.10@4258,6885.85 RFM9x.10@4258,8135.85 RFM9x.10@4258,9385.85 RFM9x.10@4258,10635.85 RFM9x.10@5608,635.85 RFM9x.10@5608,1885.85 RFM9x.10@5608,3135.85 RFM9x.10@5608,4385.85 RFM9x.10@5608,5635.85 RFM9x.10@5608,6885.85 RFM9x.10@5608,8135.85 RFM9x.10@5608,9385.85 RFM9x.10@5608,10635.85 RFM9x.10@6958,635.85 RFM9x.10@6958,1885.85 RFM9x.10@6958,3135.85 RFM9x.10@6958,4385.85 RFM9x.10@6958,5635.85 RFM9x.10@6958,6885.85 RFM9x.10@6958,8135.85 RFM9x.10@6958,9385.85 RFM9x.10@6958,10635.85 RFM9x.11@208,1807.11 RFM9x.11@208,3057.11 RFM9x.11@208,4307.11 RFM9x.11@208,5557.11 RFM9x.11@208,6807.11 RFM9x.11@208,8057.11 RFM9x.11@208,9307.11 RFM9x.11@208,10557.11 RFM9x.11@1558,557.11 RFM9x.11@1558,1807.11 RFM9x.11@1558,3057.11 RFM9x.11@1558,4307.11 RFM9x.11@1558,5557.11 RFM9x.11@1558,6807.11 RFM9x.11@1558,8057.11 RFM9x.11@1558,9307.11 RFM9x.11@1558,10557.11 RFM9x.11@2908,557.11 RFM9x.11@2908,1807.11 RFM9x.11@2908,3057.11 RFM9x.11@2908,4307.11 RFM9x.11@2908,5557.11 RFM9x.11@2908,6807.11 RFM9x.11@2908,8057.11 RFM9x.11@2908,9307.11 RFM9x.11@2908,10557.11 RFM9x.11@4258,557.11 RFM9x.11@4258,1807.11 RFM9x.11@4258,3057.11 RFM9x.11@4258,4307.11 RFM9x.11@4258,5557.11 RFM9x.11@4258,6807.11 RFM9x.11@4258,8057.11 RFM9x.11@4258,9307.11 RFM9x.11@4258,10557.11 RFM9x.11@5608,557.11 RFM9x.11@5608,1807.11 RFM9x.11@5608,3057.11 RFM9x.11@5608,4307.11 RFM9x.11@5608,5557.11 RFM9x.11@5608,6807.11 RFM9x.11@5608,8057.11 RFM9x.11@5608,9307.11 RFM9x.11@5608,10557.11 RFM9x.11@6958,557.11 RFM9x.11@6958,1807.11 RFM9x.11@6958,3057.11 RFM9x.11@6958,4307.11 RFM9x.11@6958,5557.11 RFM9x.11@6958,6807.11 RFM9x.11@6958,8057.11 RFM9x.11@6958,9307.11 RFM9x.11@6958,10557.11 RFM9x.12@208,1728.37 RFM9x.12@208,2978.37 RFM9x.12@208,4228.37 RFM9x.12@208,5478.37 RFM9x.12@208,6728.37 RFM9x.12@208,7978.37 RFM9x.12@208,9228.37 RFM9x.12@208,10478.37 RFM9x.12@1558,478.37 RFM9x.12@1558,1728.37 RFM9x.12@1558,2978.37 RFM9x.12@1558,4228.37 RFM9x.12@1558,5478.37 RFM9x.12@1558,6728.37 RFM9x.12@1558,7978.37 RFM9x.12@1558,9228.37 RFM9x.12@1558,10478.37 RFM9x.12@2908,478.37 RFM9x.12@2908,1728.37 RFM9x.12@2908,2978.37 RFM9x.12@2908,4228.37 RFM9x.12@2908,5478.37 RFM9x.12@2908,6728.37 RFM9x.12@2908,7978.37 RFM9x.12@2908,9228.37 RFM9x.12@2908,10478.37 RFM9x.12@4258,478.37 RFM9x.12@4258,1728.37 RFM9x.12@4258,2978.37 RFM9x.12@4258,4228.37 RFM9x.12@4258,5478.37 RFM9x.12@4258,6728.37 RFM9x.12@4258,7978.37 RFM9x.12@4258,9228.37 RFM9x.12@4258,10478.37 RFM9x.12@5608,478.37 RFM9x.12@5608,1728.37 RFM9x.12@5608,2978.37 RFM9x.12@5608,4228.37 RFM9x.12@5608,5478.37 RFM9x.12@5608,6728.37 RFM9x.12@5608,7978.37 RFM9x.12@5608,9228.37 RFM9x.12@5608,10478.37 RFM9x.12@6958,478.37 RFM9x.12@6958,1728.37 RFM9x.12@6958,2978.37 RFM9x.12@6958,4228.37 RFM9x.12@6958,5478.37 RFM9x.12@6958,6728.37 RFM9x.12@6958,7978.37 RFM9x.12@6958,9228.37 RFM9x.12@6958,10478.37 RFM9x.13@208,1649 RFM9x.13@208,2899 RFM9x.13@208,4149 RFM9x.13@208,5399 RFM9x.13@208,6649 RFM9x.13@208,7899 RFM9x.13@208,9149 RFM9x.13@208,10399 RFM9x.13@1558,399 RFM9x.13@1558,1649 RFM9x.13@1558,2899 RFM9x.13@1558,4149 RFM9x.13@1558,5399 RFM9x.13@1558,6649 RFM9x.13@1558,7899 RFM9x.13@1558,9149 RFM9x.13@1558,10399 RFM9x.13@2908,399 RFM9x.13@2908,1649 RFM9x.13@2908,2899 RFM9x.13@2908,4149 RFM9x.13@2908,5399 RFM9x.13@2908,6649 RFM9x.13@2908,7899 RFM9x.13@2908,9149 RFM9x.13@2908,10399 RFM9x.13@4258,399 RFM9x.13@4258,1649 RFM9x.13@4258,2899 RFM9x.13@4258,4149 RFM9x.13@4258,5399 RFM9x.13@4258,6649 RFM9x.13@4258,7899 RFM9x.13@4258,9149 RFM9x.13@4258,10399 RFM9x.13@5608,399 RFM9x.13@5608,1649 RFM9x.13@5608,2899 RFM9x.13@5608,4149 RFM9x.13@5608,5399 RFM9x.13@5608,6649 RFM9x.13@5608,7899 RFM9x.13@5608,9149 RFM9x.13@5608,10399 RFM9x.13@6958,399 RFM9x.13@6958,1649 RFM9x.13@6958,2899 RFM9x.13@6958,4149 RFM9x.13@6958,5399 RFM9x.13@6958,6649 RFM9x.13@6958,7899 RFM9x.13@6958,9149 RFM9x.13@6958,10399 RFM9x.14@208,1570 RFM9x.14@208,2820 RFM9x.14@208,4070 RFM9x.14@208,5320 RFM9x.14@208,6570 RFM9x.14@208,7820 RFM9x.14@208,9070 RFM9x.14@208,10320 RFM9x.14@1558,320 RFM9x.14@1558,1570 RFM9x.14@1558,2820 RFM9x.14@1558,4070 RFM9x.14@1558,5320 RFM9x.14@1558,6570 RFM9x.14@1558,7820 RFM9x.14@1558,9070 RFM9x.14@1558,10320 RFM9x.14@2908,320 RFM9x.14@2908,1570 RFM9x.14@2908,2820 RFM9x.14@2908,4070 RFM9x.14@2908,5320 RFM9x.14@2908,6570 RFM9x.14@2908,7820 RFM9x.14@2908,9070 RFM9x.14@2908,10320 RFM9x.14@4258,320 RFM9x.14@4258,1570 RFM9x.14@4258,2820 RFM9x.14@4258,4070 RFM9x.14@4258,5320 RFM9x.14@4258,6570 RFM9x.14@4258,7820 RFM9x.14@4258,9070 RFM9x.14@4258,10320 RFM9x.14@5608,320 RFM9x.14@5608,1570 RFM9x.14@5608,2820 RFM9x.14@5608,4070 RFM9x.14@5608,5320 RFM9x.14@5608,6570 RFM9x.14@5608,7820 RFM9x.14@5608,9070 RFM9x.14@5608,10320 RFM9x.14@6958,320 RFM9x.14@6958,1570 RFM9x.14@6958,2820 RFM9x.14@6958,4070 RFM9x.14@6958,5320 RFM9x.14@6958,6570 RFM9x.14@6958,7820 RFM9x.14@6958,9070 RFM9x.14@6958,10320 RFM9x.15@208,1492 RFM9x.15@208,2742 RFM9x.15@208,3992 RFM9x.15@208,5242 RFM9x.15@208,6492 RFM9x.15@208,7742 RFM9x.15@208,8992 RFM9x.15@208,10242 RFM9x.15@1558,242 RFM9x.15@1558,1492 RFM9x.15@1558,2742 RFM9x.15@1558,3992 RFM9x.15@1558,5242 RFM9x.15@1558,6492 RFM9x.15@1558,7742 RFM9x.15@1558,8992 RFM9x.15@1558,10242 RFM9x.15@2908,242 RFM9x.15@2908,1492 RFM9x.15@2908,2742 RFM9x.15@2908,3992 RFM9x.15@2908,5242 RFM9x.15@2908,6492 RFM9x.15@2908,7742 RFM9x.15@2908,8992 RFM9x.15@2908,10242 RFM9x.15@4258,242 RFM9x.15@4258,1492 RFM9x.15@4258,2742 RFM9x.15@4258,3992 RFM9x.15@4258,5242 RFM9x.15@4258,6492 RFM9x.15@4258,7742 RFM9x.15@4258,8992 RFM9x.15@4258,10242 RFM9x.15@5608,242 RFM9x.15@5608,1492 RFM9x.15@5608,2742 RFM9x.15@5608,3992 RFM9x.15@5608,5242 RFM9x.15@5608,6492 RFM9x.15@5608,7742 RFM9x.15@5608,8992 RFM9x.15@5608,10242 RFM9x.15@6958,242 RFM9x.15@6958,1492 RFM9x.15@6958,2742 RFM9x.15@6958,3992 RFM9x.15@6958,5242 RFM9x.15@6958,6492 RFM9x.15@6958,7742 RFM9x.15@6958,8992 RFM9x.15@6958,10242 RFM9x.16@208,1413 RFM9x.16@208,2663 RFM9x.16@208,3913 RFM9x.16@208,5163 RFM9x.16@208,6413 RFM9x.16@208,7663 RFM9x.16@208,8913 RFM9x.16@208,10163 RFM9x.16@1558,163 RFM9x.16@1558,1413 RFM9x.16@1558,2663 RFM9x.16@1558,3913 RFM9x.16@1558,5163 RFM9x.16@1558,6413 RFM9x.16@1558,7663 RFM9x.16@1558,8913 RFM9x.16@1558,10163 RFM9x.16@2908,163 RFM9x.16@2908,1413 RFM9x.16@2908,2663 RFM9x.16@2908,3913 RFM9x.16@2908,5163 RFM9x.16@2908,6413 RFM9x.16@2908,7663 RFM9x.16@2908,8913 RFM9x.16@2908,10163 RFM9x.16@4258,163 RFM9x.16@4258,1413 RFM9x.16@4258,2663 RFM9x.16@4258,3913 RFM9x.16@4258,5163 RFM9x.16@4258,6413 RFM9x.16@4258,7663 RFM9x.16@4258,8913 RFM9x.16@4258,10163 RFM9x.16@5608,163 RFM9x.16@5608,1413 RFM9x.16@5608,2663 RFM9x.16@5608,3913 RFM9x.16@5608,5163 RFM9x.16@5608,6413 RFM9x.16@5608,7663 RFM9x.16@5608,8913 RFM9x.16@5608,10163 RFM9x.16@6958,163 RFM9x.16@6958,1413 RFM9x.16@6958,2663 RFM9x.16@6958,3913 RFM9x.16@6958,5163 RFM9x.16@6958,6413 RFM9x.16@6958,7663 RFM9x.16@6958,8913 RFM9x.16@6958,10163